# KiCad board panel12-1616.kicad_pcb (continued)
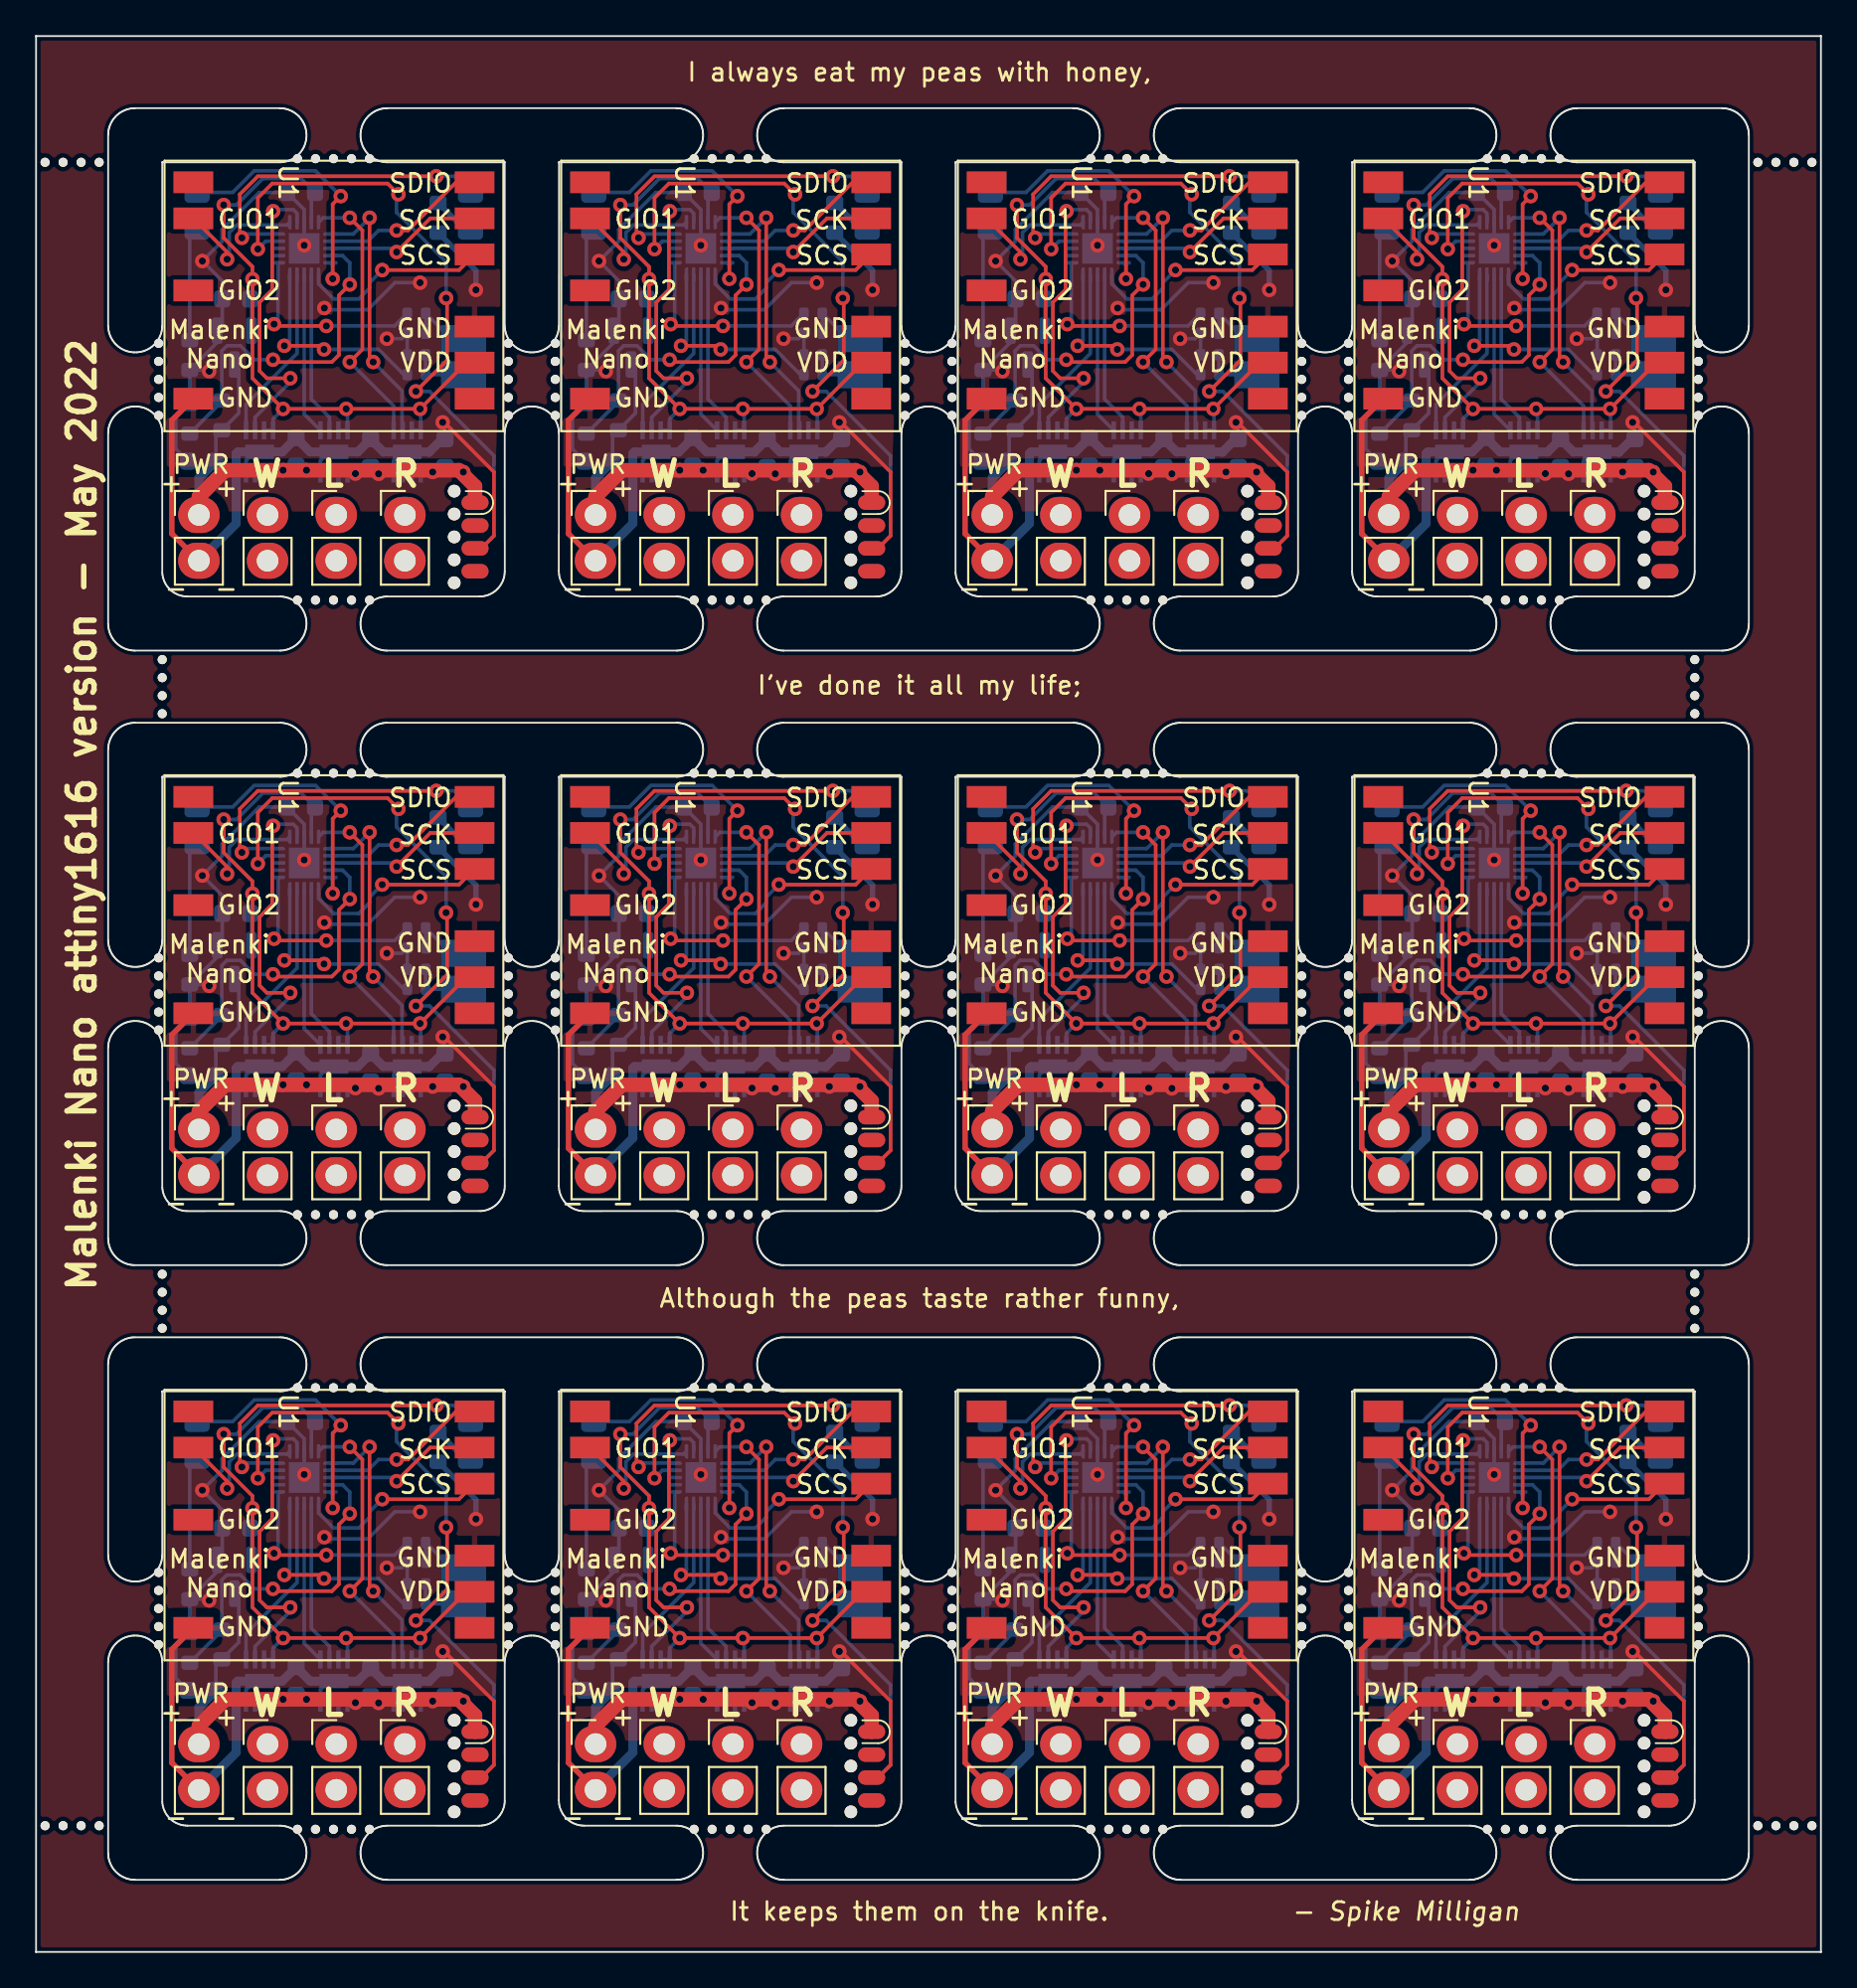
[diagram p0: board, top side]
## Routing (per net, layer and track width the routed paths; a pad name or vN(x,y) marks a point on that pad's centre or on a via; arc(x,y) is an arc through that point) (continued)
  Bottom w0.3: R2#8.2 24.4,59.17 v1(24.4,58.09)
  Bottom w0.5: C7#9.2 22.53,49.81 21.8,49.09 21.79,49.1 U7#9.9 19.27,49.1 C6#2.2 17.85,49.1 U6#6.9 15.21,49.1 C5#5.2 13.66,49.1 U5#6.9 11.19,49.1 11.1,49.02 11.1,45.14 J1#8.2
Board_4-MOTOR1F: length 16.7
  Top w0.2: v1(14.1,53.19) 12.8,53.19 12.4,53.59 12.4,57.4 13.1,58.1 13.1,62.4 v1(13.15,62.45)
  Bottom w0.2: v1(13.15,62.45) 13.24,62.54 14.27,62.54 14.48,62.33 U3#11.2 ; v1(14.1,53.19) 14.1,52.98 12.15,51.03 U5#6.6
Board_4-MOTOR1R: length 9.8
  Bottom w0.2: U5#6.5 11.65,51.74 14.48,54.56 U3#11.14
Board_4-MOTOR2F: length 9.1
  Bottom w0.2: U3#11.12 15.28,52.03 16.28,51.03 U6#6.6
Board_4-MOTOR2R: length 9
  Bottom w0.2: U6#6.5 14.88,51.2 U3#11.13
Board_4-MOTOR3F: length 15.1
  Top w0.2: v1(18.5,62.09) 18.5,54.29 v1(18.7,54.09)
  Bottom w0.2: v1(18.7,54.09) 20.3,52.49 20.3,50.34 U7#9.6 ; v1(18.5,62.09) 17.6,61.19 U3#11.6
Board_4-MOTOR3R: length 15.2
  Top w0.2: v1(17.4,62.09) 18.1,61.39 18.1,54.79 v1(17.4,54.09)
  Bottom w0.2: U3#11.5 15.93,62.09 v1(17.4,62.09) ; v1(17.4,54.09) 19.84,51.65 U7#9.5
Board_4-Net-(D1-Pad1): length 6.3
  Bottom w0.2: D1.1 8.53,61.04 R1#3.1
Board_4-Net-(D2-Pad1): length 2.4
  Bottom w0.3: R2#8.1 23.77,61.45 D2.1
Board_4-SPI_SCK: length 8.9
  Top w0.2: v1(20,60.19) 21.87,62.06 U1#11.13
  Bottom w0.2: U3#11.8 19.8,60.39 v1(20,60.19)
Board_4-SPI_SCS: length 10.7
  Top w0.2: v1(19.2,59.19) 23.46,59.19 U1#11.12
  Bottom w0.2: U3#11.11 15.68,58.42 16.5,57.59 17.9,57.59 18.5,58.19 18.5,58.49 v1(19.2,59.19)
Board_4-SPI_SDIO: length 9.4
  Top w0.2: v1(20,61.39) 20.64,61.39 23.3,64.06 U1#11.14
  Bottom w0.2: U3#11.7 18.4,60.79 19,61.39 v1(20,61.39)
Board_4-TXDEBUG: length 18.1
  Top w0.2: v1(22.2,64.39) 12.3,64.39 11.3,63.39 11.3,61.09 v1(11.42,60.98)
  Bottom w0.2: v1(11.42,60.98) 11.63,61.19 U3#11.20 ; v1(22.2,64.39) 23.21,64.39 D2.2
Board_4-UPDI: length 36.9
  Top w0.2: v1(12.31,60.35) 12.31,63.19 13.1,63.99 19.5,63.99 v1(20.1,63.39) ; v1(22.75,57.64) 22.8,57.58 22.8,54.19 v1(21.07,52.46)
  Bottom w0.2: U3#11.19 12.74,60.79 v1(12.31,60.35) ; J2#4.6 24.7,43.76 25.4,44.46 25.4,48.89 21.83,52.46 v1(21.07,52.46) ; v1(22.75,57.64) 22.75,59.64 20,62.38 20,63.29 v1(20.1,63.39)
Board_4-VBAT: length 27.6
  Top w0.8: J1#8.1 9.03,46.62 10.5,48.09 v1(13.7,48.09) v1(15,48.09) 23.46,48.09 24.35,47.2 J2#4.1
  Bottom w0.2: C2#12.1 9.98,49.99 R3#12.1 11.25,51.26 11.25,53.71 U2.3
  Bottom w0.5: C2#12.1 9.03,47.65 J1#8.1
  vias: v1(17.72,47.9) v1(19,47.89) v1(22,47.99) v1(23.7,47.99)
Board_4-VLOGIC: length 40.4
  Top w0.2: v1(10.41,62.8) 10.41,60.97 12,59.38 v1(12,58.69) 12,53.19 v1(13.7,51.49) v1(17.2,51.49) v1(21.3,51.49) 23.87,54.06 U1#11.9
  Bottom w0.2: v1(13.7,51.49) 13.15,50.94 U5#6.8 U5#6.7 ; v1(21.3,51.49) 21.34,51.45 U7#9.8 U7#9.7 ; v1(12,58.69) 12,57.72 C3#8.1 11.95,57.52 U2.2 ; v1(10.41,62.8) 11.11,62.8 12.58,64.27 14.7,64.27 C4#2.1 15.28,63.29 U3#11.4 ; U6#6.7 U6#6.8 17.28,51.42 v1(17.2,51.49)
Board_4-VSENSE: length 19.1
  Top w0.2: v1(13.14,54.22) 13.27,54.09 16.41,54.09 16.8,54.48 16.8,57.79 v1(17.4,58.39)
  Bottom w0.2: v1(13.14,54.22) 12.11,54.22 11.34,54.99 10.59,54.99 10.3,54.7 R3#12.2 10.3,51.9 R4#3.1 ; U3#11.9 17,59.99 17.4,59.59 v1(17.4,58.39)
Board_4-WEAPON2: length 3.2
  Bottom w0.2: J3#3.2 R5#2.1 R7#8.2
Board_4-WEAPON3: length 3.8
  Bottom w0.2: R8#12.2 R6#10.1 23.01,55.39 J3#3.1
Board_5-/W2: length 11.6
  Top w0.2: v1(37.98,54.79) 37.78,54.99 v1(35.78,54.99)
  Bottom w0.2: R5#3.2 42.4,53.39 41,54.79 v1(37.98,54.79) ; v1(35.78,54.99) 36.08,55.29 U3#10.15
Board_5-/W3: length 11.2
  Top w0.2: v1(38.11,56.09) 35.31,56.09 v1(35.21,56.19)
  Bottom w0.2: v1(35.21,56.19) 35.43,56.41 U3#10.16 ; R6#8.2 41.9,56.09 v1(38.11,56.09)
Board_5-BLINKY: length 14.8
  Top w0.2: v1(38.46,58.71) 38.46,62.84 v1(38.91,63.29)
  Bottom w0.2: D1#12.2 32.92,63.5 34.11,64.69 37.51,64.69 v1(38.91,63.29) ; v1(38.46,58.71) 38.46,59.46 U3#10.10
Board_5-GIO1: length 8.2
  Top w0.2: v1(32.61,59.79) 32.61,60.18 U1#3.2
  Bottom w0.2: U3#10.1 35.93,61.69 33.15,61.69 32.72,61.27 32.72,59.91 v1(32.61,59.79)
Board_5-GND: length 81.6
  Top w0.2: v1(44.56,50.75) 44.61,50.79 47.41,47.99 47.41,44.46 46.71,43.76 J2#12.3
  Top w0.3: U1#3.7 29.54,50.86 29.54,44.57 J1#3.2
  Bottom w0.2: v1(43.31,58.49) 41.91,58.49 40.41,56.99 38.09,56.99 v1(38,57.08) ; U7#3.4 41.85,48.63 42.32,49.1 U7#3.9 ; R1#7.2 31.54,53.65 v1(31.61,53.58) ; R1#7.2 R4#11.2 29.76,51 29.76,49.27 C2#10.2 ; R1#7.2 32.06,55.18 U2#4.1 32.33,56.1 C3#2.2 32.33,58.59 v1(31.23,59.69) 32.32,60.78 32.32,61.43 34.38,63.49 C4#5.2 36.88,62.54 U3#10.3 v1(36.88,60.56) U3#10.21 ; U5#7.9 34.13,49.1 33.65,48.63 U5#7.4 ; C7#4.2 44.69,50.62 v1(44.56,50.75) ; v1(41.47,55.39) 42.29,55.39 R8#10.1 R7#12.1 ; U6.9 38.26,49.1 37.78,48.63 U6.4
  Bottom w0.3: R2#10.2 46.41,59.17 v1(46.41,58.09)
  Bottom w0.5: C7#4.2 44.53,49.81 43.81,49.09 43.8,49.1 U7#3.9 41.27,49.1 C6#6.2 39.85,49.1 U6.9 37.21,49.1 C5#6.2 35.66,49.1 U5#7.9 33.2,49.1 33.11,49.02 33.11,45.14 J1#3.2
Board_5-MOTOR1F: length 16.7
  Top w0.2: v1(35.16,62.45) 35.11,62.4 35.11,58.1 34.41,57.4 34.41,53.59 34.81,53.19 v1(36.11,53.19)
  Bottom w0.2: U3#10.2 36.48,62.33 36.27,62.54 35.24,62.54 v1(35.16,62.45) ; U5#7.6 34.15,51.03 36.11,52.98 v1(36.11,53.19)
Board_5-MOTOR1R: length 9.8
  Bottom w0.2: U3#10.14 36.48,54.56 33.65,51.74 U5#7.5
Board_5-MOTOR2F: length 9.1
  Bottom w0.2: U6.6 38.28,51.03 37.28,52.03 U3#10.12
Board_5-MOTOR2R: length 9
  Bottom w0.2: U3#10.13 36.88,51.2 U6.5
Board_5-MOTOR3F: length 15.1
  Top w0.2: v1(40.51,62.09) 40.51,54.29 v1(40.71,54.09)
  Bottom w0.2: v1(40.71,54.09) 42.31,52.49 42.31,50.34 U7#3.6 ; U3#10.6 39.61,61.19 v1(40.51,62.09)
Board_5-MOTOR3R: length 15.2
  Top w0.2: v1(39.41,62.09) 40.11,61.39 40.11,54.79 v1(39.41,54.09)
  Bottom w0.2: v1(39.41,54.09) 41.85,51.65 U7#3.5 ; v1(39.41,62.09) 37.93,62.09 U3#10.5
Board_5-Net-(D1-Pad1): length 6.3
  Bottom w0.2: R1#7.1 30.53,61.04 D1#12.1
Board_5-Net-(D2-Pad1): length 2.4
  Bottom w0.3: D2#12.1 45.78,61.45 R2#10.1
Board_5-SPI_SCK: length 8.9
  Top w0.2: v1(42.01,60.19) 43.87,62.06 U1#3.13
  Bottom w0.2: v1(42.01,60.19) 41.81,60.39 U3#10.8
Board_5-SPI_SCS: length 10.7
  Top w0.2: v1(41.21,59.19) 45.47,59.19 U1#3.12
  Bottom w0.2: v1(41.21,59.19) 40.51,58.49 40.51,58.19 39.91,57.59 38.51,57.59 37.68,58.42 U3#10.11
Board_5-SPI_SDIO: length 9.4
  Top w0.2: U1#3.14 45.31,64.06 42.64,61.39 v1(42.01,61.39)
  Bottom w0.2: U3#10.7 40.41,60.79 41.01,61.39 v1(42.01,61.39)
Board_5-TXDEBUG: length 18.1
  Top w0.2: v1(44.21,64.39) 34.31,64.39 33.31,63.39 33.31,61.09 v1(33.42,60.98)
  Bottom w0.2: U3#10.20 33.64,61.19 v1(33.42,60.98) ; D2#12.2 45.22,64.39 v1(44.21,64.39)
Board_5-UPDI: length 36.9
  Top w0.2: v1(34.31,60.35) 34.31,63.19 35.11,63.99 41.51,63.99 v1(42.11,63.39) ; v1(44.75,57.64) 44.81,57.58 44.81,54.19 v1(43.08,52.46)
  Bottom w0.2: v1(44.75,57.64) 44.75,59.64 42.01,62.38 42.01,63.29 v1(42.11,63.39) ; v1(43.08,52.46) 43.84,52.46 47.41,48.89 47.41,44.46 46.71,43.76 J2#12.6 ; U3#10.19 34.75,60.79 v1(34.31,60.35)
Board_5-VBAT: length 27.6
  Top w0.8: J2#12.1 46.36,47.2 45.46,48.09 v1(37.01,48.09) v1(35.71,48.09) 32.51,48.09 31.04,46.62 J1#3.1
  Bottom w0.2: C2#10.1 31.98,49.99 R3#7.1 33.25,51.26 33.25,53.71 U2#4.3
  Bottom w0.5: J1#3.1 31.04,47.65 C2#10.1
  vias: v1(39.72,47.9) v1(41.01,47.89) v1(44.01,47.99) v1(45.71,47.99)
Board_5-VLOGIC: length 40.4
  Top w0.2: v1(32.41,62.8) 32.41,60.97 34.01,59.38 v1(34.01,58.69) 34.01,53.19 v1(35.71,51.49) v1(39.21,51.49) v1(43.31,51.49) 45.87,54.06 U1#3.9
  Bottom w0.2: v1(39.21,51.49) 39.28,51.42 U6.8 U6.7 ; U7#3.7 U7#3.8 43.35,51.45 v1(43.31,51.49) ; v1(34.01,58.69) 34.01,57.72 C3#2.1 33.96,57.52 U2#4.2 ; v1(32.41,62.8) 33.12,62.8 34.58,64.27 36.71,64.27 C4#5.1 37.28,63.29 U3#10.4 ; U5#7.7 U5#7.8 35.15,50.94 v1(35.71,51.49)
Board_5-VSENSE: length 19.1
  Top w0.2: v1(39.41,58.39) 38.81,57.79 38.81,54.48 38.42,54.09 35.27,54.09 v1(35.15,54.22)
  Bottom w0.2: U3#10.9 39.01,59.99 39.41,59.59 v1(39.41,58.39) ; R4#11.1 32.31,51.9 R3#7.2 32.31,54.7 32.59,54.99 33.34,54.99 34.12,54.22 v1(35.15,54.22)
Board_5-WEAPON2: length 3.2
  Bottom w0.2: R7#12.2 R5#3.1 43.62,53.39 J3#5.2
Board_5-WEAPON3: length 3.8
  Bottom w0.2: R8#10.2 R6#8.1 45.02,55.39 J3#5.1
Board_6-/W2: length 11.6
  Top w0.2: v1(59.98,54.79) 59.78,54.99 v1(57.79,54.99)
  Bottom w0.2: R5#5.2 64.41,53.39 63.01,54.79 v1(59.98,54.79) ; U3#9.15 58.09,55.29 v1(57.79,54.99)
Board_6-/W3: length 11.2
  Top w0.2: v1(60.11,56.09) 57.31,56.09 v1(57.21,56.19)
  Bottom w0.2: v1(57.21,56.19) 57.44,56.41 U3#9.16 ; R6#6.2 63.9,56.09 v1(60.11,56.09)
Board_6-BLINKY: length 14.8
  Top w0.2: v1(60.91,63.29) 60.47,62.84 v1(60.47,58.71)
  Bottom w0.2: v1(60.91,63.29) 59.51,64.69 56.11,64.69 54.92,63.5 D1#8.2 ; U3#9.10 60.47,59.46 v1(60.47,58.71)
Board_6-GIO1: length 8.2
  Top w0.2: v1(54.61,59.79) 54.61,60.18 U1#6.2
  Bottom w0.2: U3#9.1 57.94,61.69 55.15,61.69 54.73,61.27 54.73,59.91 v1(54.61,59.79)
Board_6-GND: length 81.6
  Top w0.2: J2#7.3 68.71,43.76 69.41,44.46 69.41,47.99 66.61,50.79 v1(66.57,50.75)
  Top w0.3: U1#6.7 51.54,50.86 51.54,44.57 J1#5.2
  Bottom w0.2: v1(63.47,55.39) 64.3,55.39 R8#5.1 R7#5.1 ; U6#4.4 59.79,48.63 60.26,49.1 U6#4.9 ; U5#4.9 56.13,49.1 55.66,48.63 U5#4.4 ; U7#2.4 63.85,48.63 64.33,49.1 U7#2.9 ; C7#6.2 66.7,50.62 v1(66.57,50.75) ; R1#9.2 R4.2 51.76,51 51.76,49.27 C2#9.2 ; R1#9.2 53.54,53.65 v1(53.61,53.58) ; R1#9.2 54.06,55.18 U2#10.1 54.34,56.1 C3.2 54.34,58.59 v1(53.23,59.69) 54.33,60.78 54.33,61.43 56.39,63.49 C4#3.2 58.89,62.54 U3#9.3 v1(58.89,60.56) U3#9.21 ; v1(60,57.08) 60.1,56.99 62.41,56.99 63.91,58.49 v1(65.31,58.49)
  Bottom w0.3: R2#11.2 68.41,59.17 v1(68.41,58.09)
  Bottom w0.5: C7#6.2 66.54,49.81 65.81,49.09 65.8,49.1 U7#2.9 63.28,49.1 C6#10.2 61.86,49.1 U6#4.9 59.22,49.1 C5#7.2 57.67,49.1 U5#4.9 55.2,49.1 55.11,49.02 55.11,45.14 J1#5.2
Board_6-MOTOR1F: length 16.7
  Top w0.2: v1(57.16,62.45) 57.11,62.4 57.11,58.1 56.41,57.4 56.41,53.59 56.81,53.19 v1(58.11,53.19)
  Bottom w0.2: v1(58.11,53.19) 58.11,52.98 56.16,51.03 U5#4.6 ; v1(57.16,62.45) 57.25,62.54 58.28,62.54 58.49,62.33 U3#9.2
Board_6-MOTOR1R: length 9.8
  Bottom w0.2: U5#4.5 55.66,51.74 58.49,54.56 U3#9.14
Board_6-MOTOR2F: length 9.1
  Bottom w0.2: U6#4.6 60.29,51.03 59.29,52.03 U3#9.12
Board_6-MOTOR2R: length 9
  Bottom w0.2: U3#9.13 58.89,51.2 U6#4.5
Board_6-MOTOR3F: length 15.1
  Top w0.2: v1(62.71,54.09) 62.51,54.29 v1(62.51,62.09)
  Bottom w0.2: U3#9.6 61.61,61.19 v1(62.51,62.09) ; U7#2.6 64.31,50.34 64.31,52.49 v1(62.71,54.09)
Board_6-MOTOR3R: length 15.2
  Top w0.2: v1(61.41,54.09) 62.11,54.79 62.11,61.39 v1(61.41,62.09)
  Bottom w0.2: v1(61.41,62.09) 59.94,62.09 U3#9.5 ; v1(61.41,54.09) 63.85,51.65 U7#2.5
Board_6-Net-(D1-Pad1): length 6.3
  Bottom w0.2: R1#9.1 52.54,61.04 D1#8.1
Board_6-Net-(D2-Pad1): length 2.4
  Bottom w0.3: R2#11.1 67.78,61.45 D2#9.1
Board_6-SPI_SCK: length 8.9
  Top w0.2: v1(64.01,60.19) 65.88,62.06 U1#6.13
  Bottom w0.2: v1(64.01,60.19) 63.81,60.39 U3#9.8
Board_6-SPI_SCS: length 10.7
  Top w0.2: v1(63.21,59.19) 67.47,59.19 U1#6.12
  Bottom w0.2: U3#9.11 59.69,58.42 60.51,57.59 61.91,57.59 62.51,58.19 62.51,58.49 v1(63.21,59.19)
Board_6-SPI_SDIO: length 9.4
  Top w0.2: U1#6.14 67.31,64.06 64.65,61.39 v1(64.01,61.39)
  Bottom w0.2: U3#9.7 62.41,60.79 63.01,61.39 v1(64.01,61.39)
Board_6-TXDEBUG: length 18.1
  Top w0.2: v1(55.43,60.98) 55.31,61.09 55.31,63.39 56.31,64.39 v1(66.21,64.39)
  Bottom w0.2: D2#9.2 67.22,64.39 v1(66.21,64.39) ; v1(55.43,60.98) 55.64,61.19 U3#9.20
Board_6-UPDI: length 36.9
  Top w0.2: v1(65.08,52.46) 66.81,54.19 66.81,57.58 v1(66.76,57.64) ; v1(56.31,60.35) 56.31,63.19 57.11,63.99 63.51,63.99 v1(64.11,63.39)
  Bottom w0.2: v1(66.76,57.64) 66.76,59.64 64.01,62.38 64.01,63.29 v1(64.11,63.39) ; v1(56.31,60.35) 56.75,60.79 U3#9.19 ; v1(65.08,52.46) 65.84,52.46 69.41,48.89 69.41,44.46 68.71,43.76 J2#7.6
Board_6-VBAT: length 27.6
  Top w0.8: J2#7.1 68.36,47.2 67.47,48.09 v1(59.01,48.09) v1(57.71,48.09) 54.51,48.09 53.04,46.62 J1#5.1
  Bottom w0.2: C2#9.1 53.99,49.99 R3#5.1 55.26,51.26 55.26,53.71 U2#10.3
  Bottom w0.5: C2#9.1 53.04,47.65 J1#5.1
  vias: v1(61.73,47.9) v1(63.01,47.89) v1(66.01,47.99) v1(67.71,47.99)
Board_6-VLOGIC: length 40.4
  Top w0.2: U1#6.9 67.88,54.06 v1(65.31,51.49) v1(61.21,51.49) v1(57.71,51.49) 56.01,53.19 v1(56.01,58.69) 56.01,59.38 54.42,60.97 v1(54.42,62.8)
  Bottom w0.2: v1(61.21,51.49) 61.29,51.42 U6#4.8 U6#4.7 ; v1(54.42,62.8) 55.12,62.8 56.59,64.27 58.71,64.27 C4#3.1 59.29,63.29 U3#9.4 ; v1(65.31,51.49) 65.35,51.45 U7#2.8 U7#2.7 ; U2#10.2 55.96,57.52 C3.1 56.01,57.72 v1(56.01,58.69) ; U5#4.7 U5#4.8 57.16,50.94 v1(57.71,51.49)
Board_6-VSENSE: length 19.1
  Top w0.2: v1(57.15,54.22) 57.28,54.09 60.42,54.09 60.81,54.48 60.81,57.79 v1(61.41,58.39)
  Bottom w0.2: v1(57.15,54.22) 56.12,54.22 55.35,54.99 54.6,54.99 54.31,54.7 R3#5.2 54.31,51.9 R4.1 ; v1(61.41,58.39) 61.41,59.59 61.01,59.99 U3#9.9
Board_6-WEAPON2: length 3.2
  Bottom w0.2: J3.2 R5#5.1 R7#5.2
Board_6-WEAPON3: length 3.8
  Bottom w0.2: R8#5.2 R6#6.1 67.02,55.39 J3.1
Board_7-/W2: length 11.6
  Top w0.2: v1(81.99,54.79) 81.79,54.99 v1(79.79,54.99)
  Bottom w0.2: v1(79.79,54.99) 80.09,55.29 U3.15 ; v1(81.99,54.79) 85.01,54.79 86.41,53.39 R5#12.2
Board_7-/W3: length 11.2
  Top w0.2: v1(79.22,56.19) 79.32,56.09 v1(82.12,56.09)
  Bottom w0.2: v1(82.12,56.09) 85.91,56.09 R6#9.2 ; U3.16 79.44,56.41 v1(79.22,56.19)
Board_7-BLINKY: length 14.8
  Top w0.2: v1(82.92,63.29) 82.47,62.84 v1(82.47,58.71)
  Bottom w0.2: v1(82.47,58.71) 82.47,59.46 U3.10 ; v1(82.92,63.29) 81.52,64.69 78.12,64.69 76.93,63.5 D1#9.2
Board_7-GIO1: length 8.2
  Top w0.2: U1#2.2 76.62,60.18 v1(76.62,59.79)
  Bottom w0.2: U3.1 79.94,61.69 77.16,61.69 76.73,61.27 76.73,59.91 v1(76.62,59.79)
Board_7-GND: length 81.6
  Top w0.2: v1(88.57,50.75) 88.62,50.79 91.42,47.99 91.42,44.46 90.72,43.76 J2#2.3
  Top w0.3: J1#9.2 73.55,44.57 73.55,50.86 U1#2.7
  Bottom w0.2: C7#3.2 88.7,50.62 v1(88.57,50.75) ; v1(75.62,53.58) 75.55,53.65 R1#4.2 ; R1#4.2 R4#12.2 73.77,51 73.77,49.27 C2#8.2 ; R1#4.2 76.07,55.18 U2#8.1 76.34,56.1 C3#9.2 76.34,58.59 v1(75.24,59.69) 76.33,60.78 76.33,61.43 78.39,63.49 C4#8.2 80.89,62.54 U3.3 v1(80.89,60.56) U3.21 ; U6#11.9 82.27,49.1 81.79,48.63 U6#11.4 ; v1(87.32,58.49) 85.92,58.49 84.42,56.99 82.1,56.99 v1(82.01,57.08) ; v1(85.48,55.39) 86.3,55.39 R8#11.1 R7#9.1 ; U5#2.9 78.14,49.1 77.66,48.63 U5#2.4 ; U7#4.9 86.33,49.1 85.85,48.63 U7#4.4
  Bottom w0.3: R2#12.2 90.42,59.17 v1(90.42,58.09)
  Bottom w0.5: C7#3.2 88.54,49.81 87.82,49.09 87.81,49.1 U7#4.9 85.28,49.1 C6#4.2 83.86,49.1 U6#11.9 81.22,49.1 C5#3.2 79.67,49.1 U5#2.9 77.21,49.1 77.12,49.02 77.12,45.14 J1#9.2
Board_7-MOTOR1F: length 16.7
  Top w0.2: v1(79.17,62.45) 79.12,62.4 79.12,58.1 78.42,57.4 78.42,53.59 78.82,53.19 v1(80.12,53.19)
  Bottom w0.2: U3.2 80.49,62.33 80.28,62.54 79.25,62.54 v1(79.17,62.45) ; U5#2.6 78.16,51.03 80.12,52.98 v1(80.12,53.19)
Board_7-MOTOR1R: length 9.8
  Bottom w0.2: U5#2.5 77.66,51.74 80.49,54.56 U3.14
Board_7-MOTOR2F: length 9.1
  Bottom w0.2: U6#11.6 82.29,51.03 81.29,52.03 U3.12
Board_7-MOTOR2R: length 9
  Bottom w0.2: U3.13 80.89,51.2 U6#11.5
Board_7-MOTOR3F: length 15.1
  Top w0.2: v1(84.72,54.09) 84.52,54.29 v1(84.52,62.09)
  Bottom w0.2: U7#4.6 86.32,50.34 86.32,52.49 v1(84.72,54.09) ; v1(84.52,62.09) 83.62,61.19 U3.6
Board_7-MOTOR3R: length 15.2
  Top w0.2: v1(83.42,54.09) 84.12,54.79 84.12,61.39 v1(83.42,62.09)
  Bottom w0.2: U3.5 81.94,62.09 v1(83.42,62.09) ; U7#4.5 85.85,51.65 v1(83.42,54.09)
Board_7-Net-(D1-Pad1): length 6.3
  Bottom w0.2: D1#9.1 74.54,61.04 R1#4.1
Board_7-Net-(D2-Pad1): length 2.4
  Bottom w0.3: R2#12.1 89.78,61.45 D2#7.1
Board_7-SPI_SCK: length 8.9
  Top w0.2: U1#2.13 87.88,62.06 v1(86.02,60.19)
  Bottom w0.2: U3.8 85.82,60.39 v1(86.02,60.19)
Board_7-SPI_SCS: length 10.7
  Top w0.2: v1(85.22,59.19) 89.47,59.19 U1#2.12
  Bottom w0.2: v1(85.22,59.19) 84.52,58.49 84.52,58.19 83.92,57.59 82.52,57.59 81.69,58.42 U3.11
Board_7-SPI_SDIO: length 9.4
  Top w0.2: v1(86.02,61.39) 86.65,61.39 89.32,64.06 U1#2.14
  Bottom w0.2: U3.7 84.42,60.79 85.02,61.39 v1(86.02,61.39)
Board_7-TXDEBUG: length 18.1
  Top w0.2: v1(88.22,64.39) 78.32,64.39 77.32,63.39 77.32,61.09 v1(77.43,60.98)
  Bottom w0.2: U3.20 77.65,61.19 v1(77.43,60.98) ; v1(88.22,64.39) 89.23,64.39 D2#7.2
Board_7-UPDI: length 36.9
  Top w0.2: v1(78.32,60.35) 78.32,63.19 79.12,63.99 85.52,63.99 v1(86.12,63.39) ; v1(87.09,52.46) 88.82,54.19 88.82,57.58 v1(88.76,57.64)
  Bottom w0.2: v1(86.12,63.39) 86.02,63.29 86.02,62.38 88.76,59.64 v1(88.76,57.64) ; v1(87.09,52.46) 87.85,52.46 91.42,48.89 91.42,44.46 90.72,43.76 J2#2.6 ; v1(78.32,60.35) 78.76,60.79 U3.19
Board_7-VBAT: length 27.6
  Top w0.8: J1#9.1 75.05,46.62 76.52,48.09 v1(79.72,48.09) v1(81.02,48.09) 89.47,48.09 90.37,47.2 J2#2.1
  Bottom w0.2: U2#8.3 77.26,53.71 77.26,51.26 R3#10.1 75.99,49.99 C2#8.1
  Bottom w0.5: C2#8.1 75.05,47.65 J1#9.1
  vias: v1(83.73,47.9) v1(85.02,47.89) v1(88.02,47.99) v1(89.72,47.99)
Board_7-VLOGIC: length 40.4
  Top w0.2: U1#2.9 89.88,54.06 v1(87.32,51.49) v1(83.22,51.49) v1(79.72,51.49) 78.02,53.19 v1(78.02,58.69) 78.02,59.38 76.42,60.97 v1(76.42,62.8)
  Bottom w0.2: v1(79.72,51.49) 79.16,50.94 U5#2.8 U5#2.7 ; U2#8.2 77.97,57.52 C3#9.1 78.02,57.72 v1(78.02,58.69) ; v1(76.42,62.8) 77.13,62.8 78.59,64.27 80.72,64.27 C4#8.1 81.29,63.29 U3.4 ; v1(87.32,51.49) 87.35,51.45 U7#4.8 U7#4.7 ; U6#11.7 U6#11.8 83.29,51.42 v1(83.22,51.49)
Board_7-VSENSE: length 19.1
  Top w0.2: v1(79.16,54.22) 79.28,54.09 82.43,54.09 82.82,54.48 82.82,57.79 v1(83.42,58.39)
  Bottom w0.2: v1(83.42,58.39) 83.42,59.59 83.02,59.99 U3.9 ; v1(79.16,54.22) 78.13,54.22 77.35,54.99 76.6,54.99 76.32,54.7 R3#10.2 76.32,51.9 R4#12.1
Board_7-WEAPON2: length 3.2
  Bottom w0.2: J3#4.2 R5#12.1 R7#9.2
Board_7-WEAPON3: length 3.8
  Bottom w0.2: R8#11.2 R6#9.1 89.03,55.39 J3#4.1
Board_8-/W2: length 11.6
  Top w0.2: v1(13.78,20.91) 15.77,20.91 v1(15.97,20.71)
  Bottom w0.2: v1(13.78,20.91) 14.08,21.21 U3#3.15 ; v1(15.97,20.71) 19,20.71 20.4,19.31 R5.2
Board_8-/W3: length 11.2
  Top w0.2: v1(13.2,22.11) 13.3,22.01 v1(16.1,22.01)
  Bottom w0.2: R6#4.2 19.89,22.01 v1(16.1,22.01) ; v1(13.2,22.11) 13.43,22.33 U3#3.16
Board_8-BLINKY: length 14.8
  Top w0.2: v1(16.9,29.21) 16.46,28.76 v1(16.46,24.62)
  Bottom w0.2: v1(16.9,29.21) 15.5,30.61 12.1,30.61 10.91,29.42 D1#6.2 ; U3#3.10 16.46,25.38 v1(16.46,24.62)
Board_8-GIO1: length 8.2
  Top w0.2: v1(10.6,25.71) 10.6,26.1 U1#12.2
  Bottom w0.2: v1(10.6,25.71) 10.72,25.82 10.72,27.18 11.14,27.61 13.93,27.61 U3#3.1
Board_8-GND: length 81.6
  Top w0.2: J2#6.3 24.7,9.67 25.4,10.37 25.4,13.91 22.6,16.71 v1(22.56,16.66)
  Top w0.3: U1#12.7 7.53,16.78 7.53,10.49 J1#4.2
  Bottom w0.2: U6#12.9 16.25,15.02 15.78,14.54 U6#12.4 ; v1(21.3,24.41) 19.9,24.41 18.4,22.91 16.09,22.91 v1(15.99,23) ; R7#6.1 R8#9.1 20.29,21.3 v1(19.46,21.3) ; U7#11.9 20.32,15.02 19.84,14.54 U7#11.4 ; R1#6.2 R4#2.2 7.75,16.91 7.75,15.19 C2#11.2 ; R1#6.2 9.53,19.57 v1(9.6,19.5) ; R1#6.2 10.05,21.1 U2#5.1 10.33,22.02 C3#3.2 10.33,24.5 v1(9.22,25.61) 10.32,26.7 10.32,27.35 12.38,29.41 C4#10.2 14.88,28.46 U3#3.3 v1(14.88,26.48) U3#3.21 ; U5#11.4 11.65,14.54 12.12,15.02 U5#11.9 ; C7#10.2 22.69,16.54 v1(22.56,16.66)
  Bottom w0.3: v1(24.4,24.01) 24.4,25.08 R2#3.2
  Bottom w0.5: C7#10.2 22.53,15.73 21.8,15.01 21.79,15.02 U7#11.9 19.27,15.02 C6#3.2 17.85,15.02 U6#12.9 15.21,15.02 C5#2.2 13.66,15.02 U5#11.9 11.19,15.02 11.1,14.93 11.1,11.06 J1#4.2
Board_8-MOTOR1F: length 16.7
  Top w0.2: v1(14.1,19.11) 12.8,19.11 12.4,19.51 12.4,23.32 13.1,24.02 13.1,28.32 v1(13.15,28.37)
  Bottom w0.2: U3#3.2 14.48,28.25 14.27,28.46 13.24,28.46 v1(13.15,28.37) ; U5#11.6 12.15,16.94 14.1,18.9 v1(14.1,19.11)
Board_8-MOTOR1R: length 9.8
  Bottom w0.2: U5#11.5 11.65,17.65 14.48,20.48 U3#3.14
Board_8-MOTOR2F: length 9.1
  Bottom w0.2: U6#12.6 16.28,16.94 15.28,17.95 U3#3.12
Board_8-MOTOR2R: length 9
  Bottom w0.2: U3#3.13 14.88,17.12 U6#12.5
Board_8-MOTOR3F: length 15.1
  Top w0.2: v1(18.7,20.01) 18.5,20.21 v1(18.5,28.01)
  Bottom w0.2: v1(18.5,28.01) 17.6,27.11 U3#3.6 ; v1(18.7,20.01) 20.3,18.41 20.3,16.26 U7#11.6
Board_8-MOTOR3R: length 15.2
  Top w0.2: v1(17.4,20.01) 18.1,20.71 18.1,27.31 v1(17.4,28.01)
  Bottom w0.2: v1(17.4,20.01) 19.84,17.57 U7#11.5 ; v1(17.4,28.01) 15.93,28.01 U3#3.5
Board_8-Net-(D1-Pad1): length 6.3
  Bottom w0.2: D1#6.1 8.53,26.96 R1#6.1
Board_8-Net-(D2-Pad1): length 2.4
  Bottom w0.3: R2#3.1 23.77,27.37 D2#2.1
Board_8-SPI_SCK: length 8.9
  Top w0.2: v1(20,26.11) 21.87,27.97 U1#12.13
  Bottom w0.2: U3#3.8 19.8,26.31 v1(20,26.11)
Board_8-SPI_SCS: length 10.7
  Top w0.2: U1#12.12 23.46,25.11 v1(19.2,25.11)
  Bottom w0.2: U3#3.11 15.68,24.34 16.5,23.51 17.9,23.51 18.5,24.11 18.5,24.41 v1(19.2,25.11)
Board_8-SPI_SDIO: length 9.4
  Top w0.2: U1#12.14 23.3,29.97 20.64,27.31 v1(20,27.31)
  Bottom w0.2: v1(20,27.31) 19,27.31 18.4,26.71 U3#3.7
Board_8-TXDEBUG: length 18.1
  Top w0.2: v1(11.42,26.89) 11.3,27.01 11.3,29.31 12.3,30.31 v1(22.2,30.31)
  Bottom w0.2: v1(22.2,30.31) 23.21,30.31 D2#2.2 ; v1(11.42,26.89) 11.63,27.11 U3#3.20
Board_8-UPDI: length 36.9
  Top w0.2: v1(12.31,26.27) 12.31,29.11 13.1,29.91 19.5,29.91 v1(20.1,29.31) ; v1(21.07,18.38) 22.8,20.11 22.8,23.5 v1(22.75,23.55)
  Bottom w0.2: v1(12.31,26.27) 12.74,26.71 U3#3.19 ; J2#6.6 24.7,9.67 25.4,10.37 25.4,14.81 21.83,18.38 v1(21.07,18.38) ; v1(22.75,23.55) 22.75,25.56 20,28.3 20,29.21 v1(20.1,29.31)
Board_8-VBAT: length 27.6
  Top w0.8: J1#4.1 9.03,12.54 10.5,14.01 v1(13.7,14.01) v1(15,14.01) 23.46,14.01 24.35,13.11 J2#6.1
  Bottom w0.2: U2#5.3 11.25,19.62 11.25,17.17 R3#2.1 9.98,15.9 C2#11.1
  Bottom w0.5: C2#11.1 9.03,13.57 J1#4.1
  vias: v1(17.72,13.82) v1(19,13.81) v1(22,13.91) v1(23.7,13.91)
Board_8-VLOGIC: length 40.4
  Top w0.2: v1(10.41,28.72) 10.41,26.89 12,25.29 v1(12,24.61) 12,19.11 v1(13.7,17.41) v1(17.2,17.41) v1(21.3,17.41) 23.87,19.97 U1#12.9
  Bottom w0.2: v1(13.7,17.41) 13.15,16.85 U5#11.8 U5#11.7 ; v1(17.2,17.41) 17.28,17.33 U6#12.8 U6#12.7 ; U3#3.4 15.28,29.2 C4#10.1 14.7,30.18 12.58,30.18 11.11,28.72 v1(10.41,28.72) ; U2#5.2 11.95,23.43 C3#3.1 12,23.63 v1(12,24.61) ; v1(21.3,17.41) 21.34,17.37 U7#11.8 U7#11.7
Board_8-VSENSE: length 19.1
  Top w0.2: v1(13.14,20.14) 13.27,20.01 16.41,20.01 16.8,20.4 16.8,23.71 v1(17.4,24.31)
  Bottom w0.2: U3#3.9 17,25.91 17.4,25.51 v1(17.4,24.31) ; v1(13.14,20.14) 12.11,20.14 11.34,20.91 10.59,20.91 10.3,20.62 R3#2.2 10.3,17.81 R4#2.1
Board_8-WEAPON2: length 3.2
  Bottom w0.2: J3#7.2 21.61,19.31 R5.1 R7#6.2
Board_8-WEAPON3: length 3.8
  Bottom w0.2: J3#7.1 23.01,21.31 R6#4.1 R8#9.2
Board_9-/W2: length 11.6
  Top w0.2: v1(35.78,20.91) 37.78,20.91 v1(37.98,20.71)
  Bottom w0.2: U3#5.15 36.08,21.21 v1(35.78,20.91) ; R5#9.2 42.4,19.31 41,20.71 v1(37.98,20.71)
Board_9-/W3: length 11.2
  Top w0.2: v1(35.21,22.11) 35.31,22.01 v1(38.11,22.01)
  Bottom w0.2: R6#12.2 41.9,22.01 v1(38.11,22.01) ; U3#5.16 35.43,22.33 v1(35.21,22.11)
Board_9-BLINKY: length 14.8
  Top w0.2: v1(38.91,29.21) 38.46,28.76 v1(38.46,24.62)
  Bottom w0.2: v1(38.91,29.21) 37.51,30.61 34.11,30.61 32.92,29.42 D1#11.2 ; v1(38.46,24.62) 38.46,25.38 U3#5.10
Board_9-GIO1: length 8.2
  Top w0.2: U1#9.2 32.61,26.1 v1(32.61,25.71)
  Bottom w0.2: v1(32.61,25.71) 32.72,25.82 32.72,27.18 33.15,27.61 35.93,27.61 U3#5.1
Board_9-GND: length 81.6
  Top w0.2: J2#9.3 46.71,9.67 47.41,10.37 47.41,13.91 44.61,16.71 v1(44.56,16.66)
  Top w0.3: J1#12.2 29.54,10.49 29.54,16.78 U1#9.7
  Bottom w0.2: R1#5.2 R4#5.2 29.76,16.91 29.76,15.19 C2#4.2 ; R1#5.2 31.54,19.57 v1(31.61,19.5) ; R1#5.2 32.06,21.1 U2#6.1 32.33,22.02 C3#11.2 32.33,24.5 v1(31.23,25.61) 32.32,26.7 32.32,27.35 34.38,29.41 C4.2 36.88,28.46 U3#5.3 v1(36.88,26.48) U3#5.21 ; v1(41.47,21.3) 42.29,21.3 R8#7.1 R7#3.1 ; U6#8.9 38.26,15.02 37.78,14.54 U6#8.4 ; U7#12.4 41.85,14.54 42.32,15.02 U7#12.9 ; v1(44.56,16.66) 44.69,16.54 C7#11.2 ; U5#8.4 33.65,14.54 34.13,15.02 U5#8.9 ; v1(43.31,24.41) 41.91,24.41 40.41,22.91 38.09,22.91 v1(38,23)
  Bottom w0.3: v1(46.41,24.01) 46.41,25.08 R2#7.2
  Bottom w0.5: C7#11.2 44.53,15.73 43.81,15.01 43.8,15.02 U7#12.9 41.27,15.02 C6.2 39.85,15.02 U6#8.9 37.21,15.02 C5#11.2 35.66,15.02 U5#8.9 33.2,15.02 33.11,14.93 33.11,11.06 J1#12.2
Board_9-MOTOR1F: length 16.7
  Top w0.2: v1(35.16,28.37) 35.11,28.32 35.11,24.02 34.41,23.32 34.41,19.51 34.81,19.11 v1(36.11,19.11)
  Bottom w0.2: v1(36.11,19.11) 36.11,18.9 34.15,16.94 U5#8.6 ; v1(35.16,28.37) 35.24,28.46 36.27,28.46 36.48,28.25 U3#5.2
Board_9-MOTOR1R: length 9.8
  Bottom w0.2: U5#8.5 33.65,17.65 36.48,20.48 U3#5.14
Board_9-MOTOR2F: length 9.1
  Bottom w0.2: U6#8.6 38.28,16.94 37.28,17.95 U3#5.12
Board_9-MOTOR2R: length 9
  Bottom w0.2: U3#5.13 36.88,17.12 U6#8.5
Board_9-MOTOR3F: length 15.1
  Top w0.2: v1(40.51,28.01) 40.51,20.21 v1(40.71,20.01)
  Bottom w0.2: v1(40.51,28.01) 39.61,27.11 U3#5.6 ; U7#12.6 42.31,16.26 42.31,18.41 v1(40.71,20.01)
Board_9-MOTOR3R: length 15.2
  Top w0.2: v1(39.41,28.01) 40.11,27.31 40.11,20.71 v1(39.41,20.01)
  Bottom w0.2: v1(39.41,28.01) 37.93,28.01 U3#5.5 ; v1(39.41,20.01) 41.85,17.57 U7#12.5
